# KiCad board washington-metro-pcb.kicad_pcb (continued)
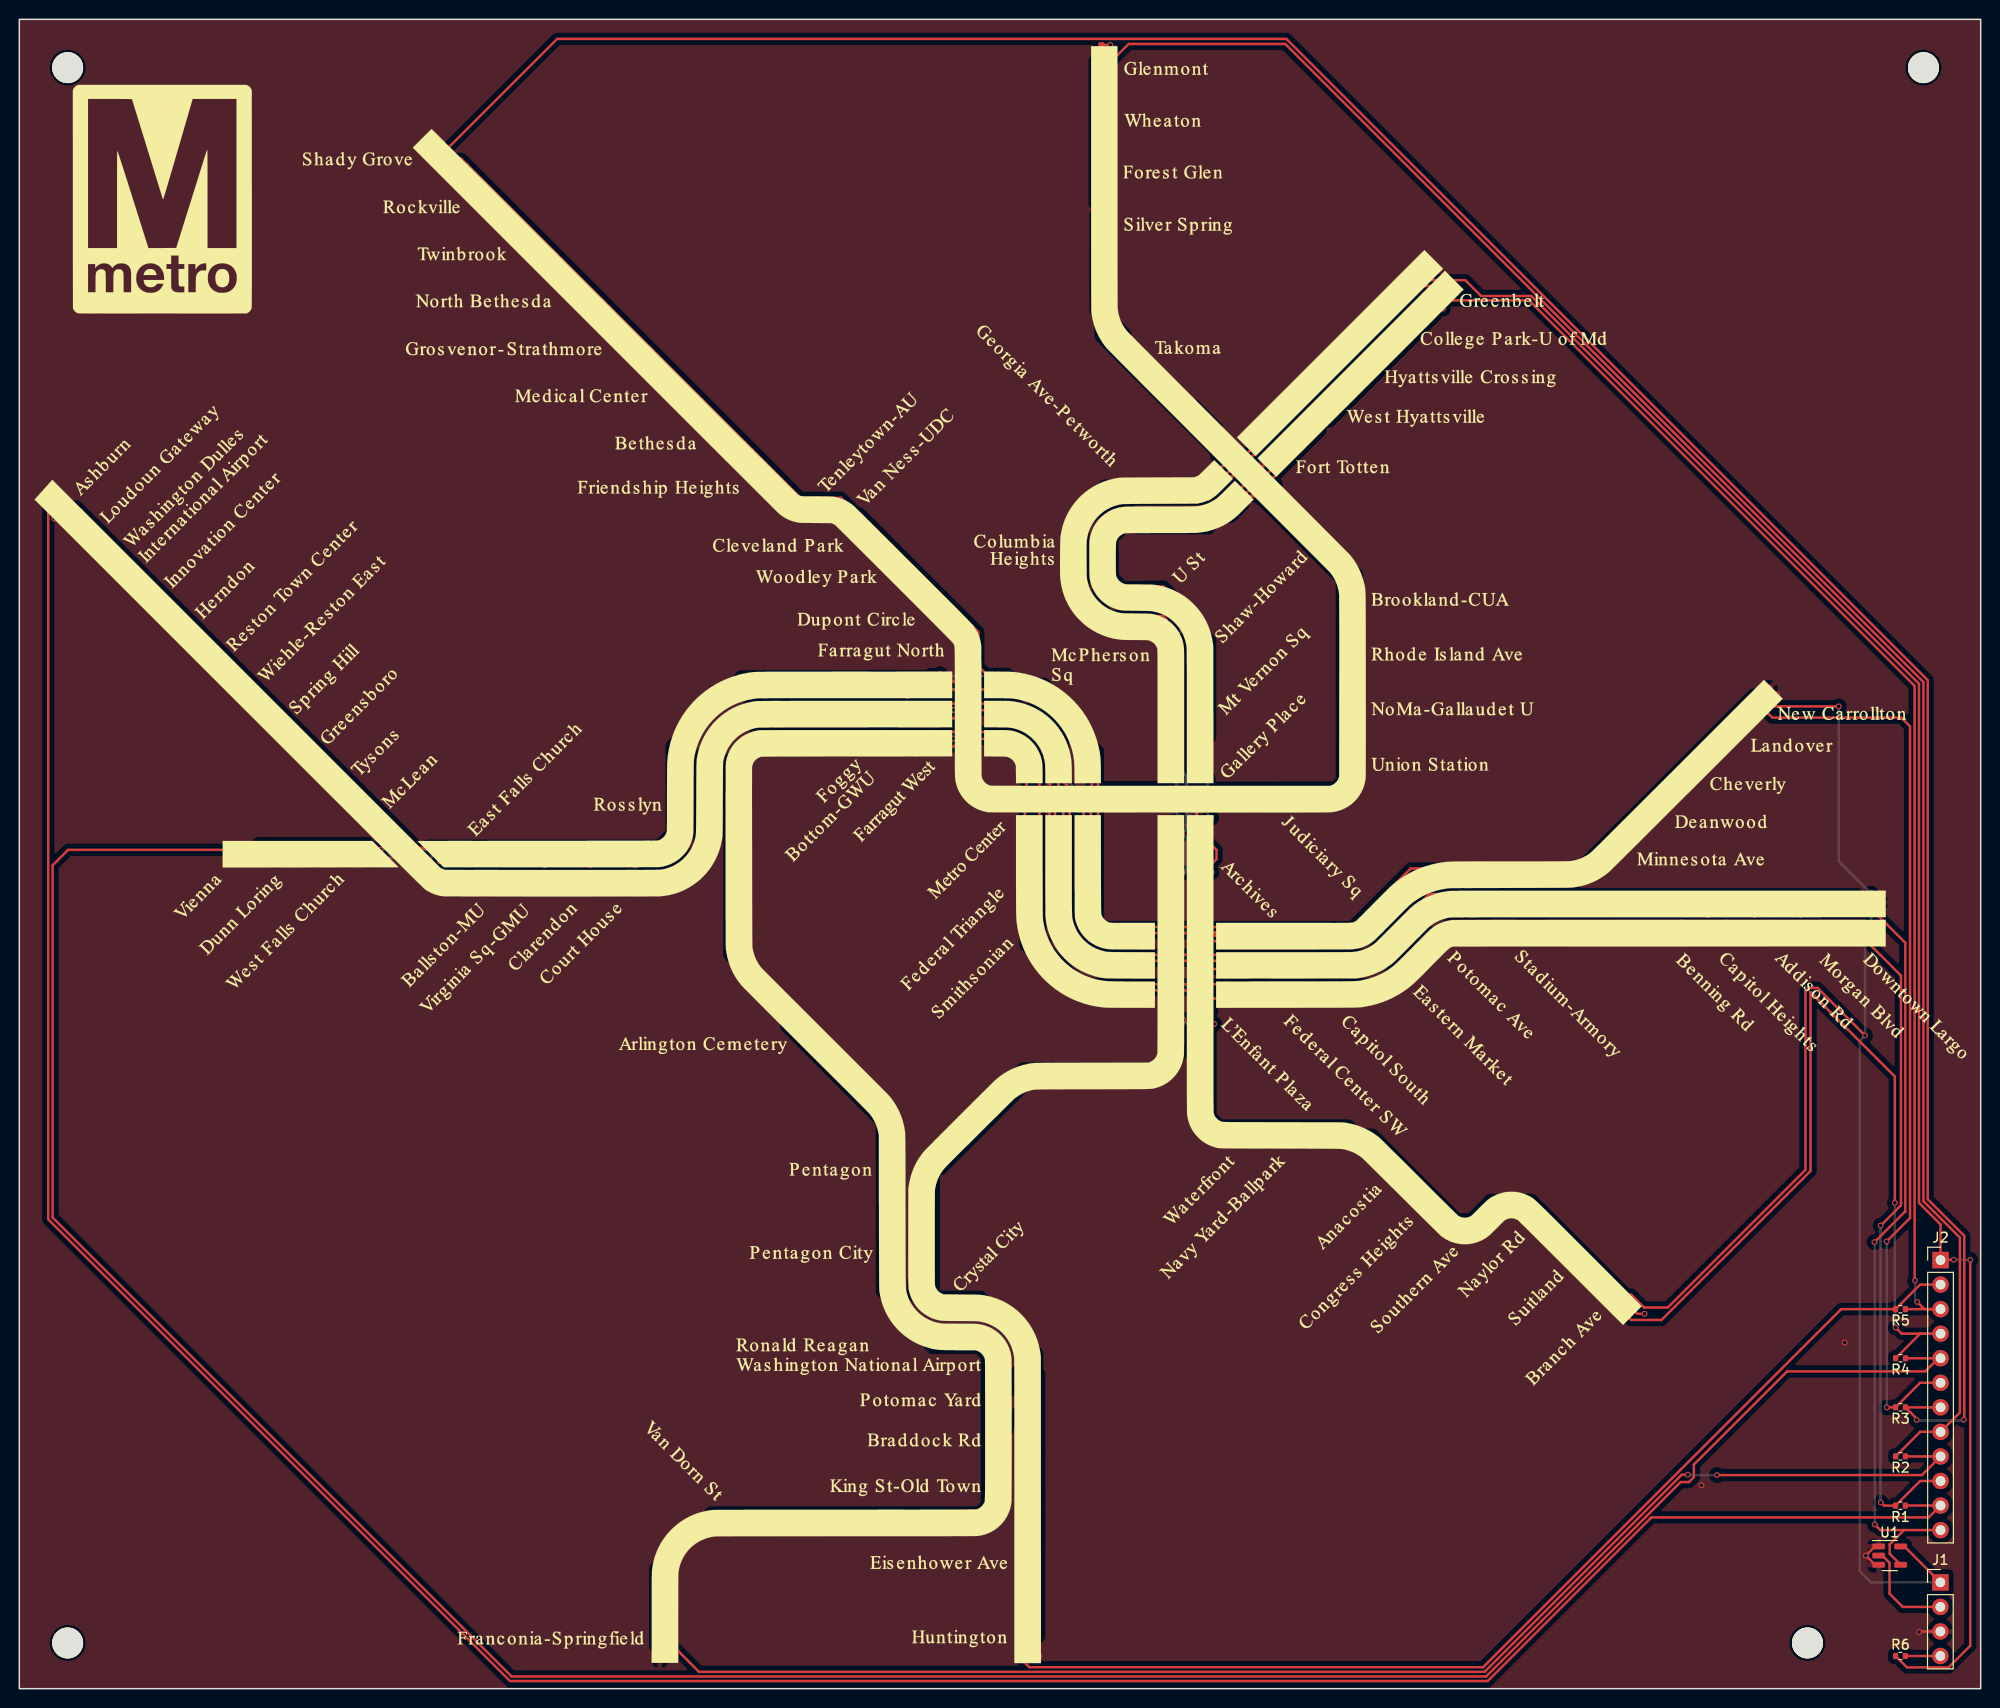
[diagram p0: board, top side]
## Routing (per net, layer and track width the routed paths; a pad name or vN(x,y) marks a point on that pad's centre or on a via; arc(x,y) is an arc through that point) (continued)
BLUE_LINE_IN: length 68.6
  Top w0.25: LED35.4 194.67,73.79 194.67,50.02 v1(192.57,47.92) ; J2.10 196.66,21.49 R1.2 192.92,18.94 v1(192.58,19.27)
  Bottom w0.25: v1(192.57,47.92) 192.56,47.91 192.56,19.27
BLUE_LINE_OUT: length 145.8
  Top w0.25: LED62.1 70.32,1.74 151.6,1.74 172,22.14 v1(172.62,22.14) ; v1(175.63,22.1) 196.84,22.1 J2.9 195.15,24.03 R2.1
  Bottom w0.25: v1(172.62,22.14) 172.66,22.1 v1(175.63,22.1)
GREEN_LINE_IN: length 95
  Top w0.25: v1(194.04,50.27) 194.04,63.34 185.32,72.06 185.32,53.57 169.9,38.15 166.76,38.15 LED116.4 ; v1(194.12,37.36) 194.75,36.73 J2.4 196.66,36.73 R4.2
  Bottom w0.25: v1(194.12,37.36) 194.04,37.44 v1(194.04,50.27)
GREEN_LINE_OUT: length 135.7
  Top w0.25: v1(196.13,42.23) 196.09,42.27 196.09,103.76 156.2,143.65 LED136.1 ; v1(196.36,40.02) 197.11,39.27 J2.3 R5.1
  Bottom w0.25: v1(196.13,42.23) 196.13,40.25 v1(196.36,40.02)
LED_IN: length 10.5
  Top w0.25: J1.2 194.86,8.46 193.49,9.83 193.49,13.03 192.75,13.77 U1.2
LED_OUT: length 3.6
  Top w0.25: R6.2 J1.4
ORANGE_LINE_IN: length 94.3
  Top w0.25: LED90.4 181.37,100.47 194.71,100.47 195.61,99.57 195.61,48.7 v1(193.18,46.28) ; J2.6 196.65,31.65 R3.2 193.22,29.11 v1(193.21,29.1)
  Bottom w0.25: v1(193.18,46.28) 193.21,46.25 v1(193.21,29.1)
ORANGE_LINE_OUT: length 289.9
  Top w0.25: R4.1 J2.5 198.55,34.19 197.19,32.83 182.89,32.83 173.24,23.18 173.24,21.88 172.74,21.38 171.87,21.38 151.75,1.26 50.93,1.26 3.44,48.75 3.44,85.19 5.05,86.79 LED115.1
RED_LINE_IN: length 198.1
  Top w0.25: LED63.4 114.77,170.18 130.98,170.18 196.99,104.17 196.99,50.45 200.77,46.67 200.77,28.57 J2.8 196.65,26.57 R2.2
RED_LINE_OUT: length 274.4
  Top w0.25: LED89.1 55.64,170.7 131.09,170.7 197.44,104.35 197.44,50.64 201.22,46.86 201.22,27.88 v1(201.18,27.83) ; J2.7 R3.1 196.29,27.95 v1(196.29,27.81)
  Bottom w0.25: v1(201.18,27.83) 201.09,27.74 196.35,27.74 v1(196.29,27.81)
SILVER_LINE_IN: length 79.3
  Top w0.25: LED1.4 191.77,80.53 195.12,77.18 195.12,49.34 195.07,49.34 v1(191.93,46.21) ; v1(191.96,16.99) 192.54,16.41 195,16.41 ; U1.4 193.51,13.95 193.51,14.92 195,16.41 ; 195,16.41 J2.12
  Bottom w0.25: v1(191.93,46.21) 191.96,46.18 v1(191.96,16.99)
SILVER_LINE_OUT: length 302.7
  Top w0.25: LED34.1 3.99,123.19 2.99,123.19 2.99,48.56 50.76,0.79 151.92,0.79 168.85,17.72 197.54,17.72 J2.11 195.14,18.95 R1.1
YELLOW_LINE_IN: length 113.6
  Top w0.25: LED137.4 103.89,2.82 104.49,2.22 151.44,2.22 188.49,39.27 R5.2 196.65,41.81 J2.2
YELLOW_LINE_OUT: length 181.6
  Top w0.25: v1(201.84,44.37) 201.84,4.44 199.6,2.2 195.28,2.2 R6.1 ; v1(200.15,44.38) 198.8,44.38 J2.1 198.77,48.04 196.54,50.27 196.54,103.98 156.42,144.1 151.24,144.1 149.6,145.74 LED158.1
  Bottom w0.25: v1(200.15,44.38) 200.16,44.37 v1(201.84,44.37)
Net-(LED1-DOUT): length 4.2
  Top w0.25: LED2.4 188.03,80.61 188.38,80.96 189.17,80.96 LED1.1
Net-(LED2-DOUT): length 4.3
  Top w0.25: LED2.1 183.94,80.58 LED3.4
Net-(LED3-DOUT): length 4.3
  Top w0.25: LED4.4 179.19,80.58 LED3.1
Net-(LED4-DOUT): length 4.3
  Top w0.25: LED4.1 174.39,80.6 LED5.4
Net-(LED5-DOUT): length 18.3
  Top w0.25: LED6.4 155.43,80.74 156.14,81.45 LED5.1
Net-(LED6-DOUT): length 7.1
  Top w0.25: LED6.1 147.78,81.59 145.75,79.56 LED7.4
Net-(LED7-DOUT): length 4.5
  Top w0.25: LED7.1 144.07,78.36 LED8.4
Net-(LED8-DOUT): length 5.8
  Top w0.25: LED8.1 138.93,74.42 LED9.4
Net-(LED10-DIN): length 6.1
  Top w0.25: LED9.1 132.61,75.27 132.31,74.96 132.31,74.95 131.78,74.43 LED10.4
Net-(LED10-DOUT): length 5.6
  Top w0.25: 122.66,74.45 126.53,74.45 127.1,75.03 127.1,75.03 127.35,75.28 LED10.1
Net-(LED11-DOUT): length 17.8
  Top w0.25: LED11.1 109.61,75.3 107.14,77.77 LED12.4
Net-(LED12-DOUT): length 4.5
  Top w0.25: LED12.1 107.14,81.6 LED13.4
Net-(LED13-DOUT): length 6.2
  Top w0.25: LED14.4 107.15,86.61 LED13.1
Net-(LED14-DOUT): length 10.7
  Top w0.25: LED15.4 103.62,100.43 107.51,96.54 107.51,92.95 LED14.1
Net-(LED15-DOUT): length 8.7
  Top w0.25: LED15.1 101.87,101.25 97.53,101.25 96.7,100.42 LED16.4
Net-(LED16-DOUT): length 4.7
  Top w0.25: LED17.4 91.83,100.42 LED16.1
Net-(LED17-DOUT): length 22.5
  Top w0.25: LED17.1 75.89,101.27 71.91,97.29 71.91,92.14 LED18.4
Net-(LED18-DOUT): length 12.4
  Top w0.25: LED18.1 71.02,86.14 67.96,83.08 LED19.4
Net-(LED19-DOUT): length 4.2
  Top w0.25: LED20.4 63.34,83.08 LED19.1
Net-(LED20-DOUT): length 4.2
  Top w0.25: LED21.4 58.66,83.08 LED20.1
Net-(LED21-DOUT): length 4.2
  Top w0.25: LED22.4 53.99,83.08 LED21.1
Net-(LED22-DOUT): length 5.6
  Top w0.25: LED23.4 48.85,82.65 LED22.1
Net-(LED23-DOUT): length 10.2
  Top w0.25: LED24.4 36.49,89.51 42.49,83.5 44.2,83.5
Net-(LED24-DOUT): length 4.1
  Top w0.25: LED24.1 35.29,90.71 LED25.4
Net-(LED25-DOUT): length 4.1
  Top w0.25: LED26.4 32.06,93.95 LED25.1
Net-(LED26-DOUT): length 4.1
  Top w0.25: LED26.1 28.83,97.19 LED27.4
Net-(LED27-DOUT): length 4
  Top w0.25: LED27.1 25.6,100.44 LED28.4
Net-(LED28-DOUT): length 4.2
  Top w0.25: LED29.4 22.31,103.67 LED28.1
Net-(LED29-DOUT): length 4
  Top w0.25: LED30.4 19,106.93 LED29.1
Net-(LED30-DOUT): length 4
  Top w0.25: LED30.1 15.87,110.11 LED31.4
Net-(LED31-DOUT): length 4.6
  Top w0.25: LED31.1 12.73,113.31 LED32.4
Net-(LED32-DOUT): length 4
  Top w0.25: LED32.1 9.1,116.93 LED33.4
Net-(LED33-DOUT): length 3.6
  Top w0.25: LED34.4 5.91,120.07 LED33.1
Net-(LED35-DOUT): length 4.3
  Top w0.25: LED36.4 188.82,77.94 LED35.1
Net-(LED36-DOUT): length 4.3
  Top w0.25: LED37.4 184,77.94 LED36.1
Net-(LED37-DOUT): length 4.3
  Top w0.25: LED38.4 179.16,77.94 180.01,78.79 LED37.1
Net-(LED38-DOUT): length 4.3
  Top w0.25: LED39.4 174.38,77.94 LED38.1
Net-(LED39-DOUT): length 18.4
  Top w0.25: LED40.4 155.75,77.99 156.56,78.81 170.39,78.81 LED39.1
Net-(LED40-DOUT): length 4.5
  Top w0.25: LED41.4 147.93,77.92 150.59,77.92 151.51,78.84 151.56,78.84
Net-(LED41-DOUT): length 4.6
  Top w0.25: LED42.4 146.39,76.55 LED41.1
Net-(LED42-DOUT): length 8.4
  Top w0.25: LED43.4 139.34,71.31 140.47,72.44 141.08,72.44 LED42.1
Net-(LED43-DOUT): length 6.1
  Top w0.25: LED43.1 132.94,72.16 132.66,71.87 132.66,71.86 132.18,71.38 128.78,71.38
Net-(LED44-DOUT): length 5.6
  Top w0.25: LED44.1 127.21,72.23 126.39,71.41 LED45.4
Net-(LED45-DOUT): length 22.6
  Top w0.25: LED46.4 104.11,76.92 104.81,76.23 105.9,76.23 109.86,72.26 LED45.1
Net-(LED46-DOUT): length 4.6
  Top w0.25: 104.97,80.72 104.08,81.6 104.08,84.94
Net-(LED47-DOUT): length 6.2
  Top w0.25: LED48.4 104.03,86.69 LED47.1
Net-(LED48-DOUT): length 5.8
  Top w0.25: LED48.1 104.21,93.13 104.21,95.75 102.78,97.18 102.78,97.39
Net-(LED49-DOUT): length 8.7
  Top w0.25: LED49.1 101.9,98.27 97.47,98.27 96.7,97.49 93.56,97.49
Net-(LED50-DOUT): length 4.7
  Top w0.25: LED51.4 91.73,97.37 LED50.1
Net-(LED51-DOUT): length 17.7
  Top w0.25: LED52.4 74.96,96.62 76.56,98.22 87.53,98.22
Net-(LED52-DOUT): length 27.4
  Top w0.25: LED53.4 74.13,75.91 74.13,91.27 LED52.1
Net-(LED53-DOUT): length 15.3
  Top w0.25: LED53.1 90.72,58.12 90.72,54.33
Net-(LED54-DOUT): length 8.2
  Top w0.25: 89.86,53.48 89.87,53.48 89.87,49.93 90.72,49.09 LED55.4
Net-(LED55-DOUT): length 11.6
  Top w0.25: LED56.4 94.34,36.02 91.04,39.33 91.04,39.98 89.86,41.15 89.86,44.78
Net-(LED56-DOUT): length 7.1
  Top w0.25: LED57.4 101.66,35.22 100,36.88 LED56.1
Net-(LED57-DOUT): length 4.3
  Top w0.25: LED57.1 102.42,31.84 102.42,30.79 LED58.4
Net-(LED58-DOUT): length 3.8
  Top w0.25: 101.72,26.23 102.24,26.75 102.24,27.88 LED58.1
Net-(LED59-DOUT): length 4.8
  Top w0.25: LED60.4 101.72,24.54 LED59.1
Net-(LED60-DOUT): length 26.2
  Top w0.25: 100.86,20.09 100.86,18.41 99.19,16.74 LED61.4
Net-(LED61-DOUT): length 18.6
  Top w0.25: LED62.4 66.33,12.33 71.6,17.59 LED61.1
Net-(LED63-DOUT): length 4.9
  Top w0.25: LED63.1 111.88,166.69 112.72,165.85 LED64.4
Net-(LED64-DOUT): length 4.9
  Top w0.25: 111.86,161.89 111.86,161.26 112.73,160.39 LED65.4
Net-(LED65-DOUT): length 4.9
  Top w0.25: 111.89,156.52 111.89,155.94 112.73,155.09 LED66.4
Net-(LED66-DOUT): length 12.8
  Top w0.25: 111.89,151.15 111.88,151.15 111.88,142.72 114.43,140.17 LED67.4
Net-(LED67-DOUT): length 13.1
  Top w0.25: LED68.4 123.92,130.43 121.52,132.82 119.78,132.82 114.43,138.17 LED67.1
Net-(LED68-DOUT): length 22.2
  Top w0.25: v1(129.6,123.16) 130.54,123.16 138.41,115.3 LED69.4 ; v1(124.54,128.22) 123.92,128.84 LED68.1
  Bottom w0.25: v1(124.54,128.22) v1(129.6,123.16)
Net-(LED69-DOUT): length 5.2
  Top w0.25: 137.56,112.35 137.56,111.61 138.45,110.72 LED70.4
Net-(LED70-DOUT): length 5.2
  Top w0.25: LED71.4 138.44,105.01 137.6,105.84 137.6,106.7 LED70.1
Net-(LED71-DOUT): length 5.2
  Top w0.25: LED71.1 137.58,101.03 137.58,100.24 138.35,99.47 138.35,96.29 LED72.4
Net-(LED72-DOUT): length 10.4
  Top w0.25: LED72.1 137.57,94.05 135.08,91.56 LED73.4
Net-(LED73-DOUT): length 6.4
  Top w0.25: LED73.1 127.97,91.7 LED74.4
Net-(LED74-DOUT): length 8.3
  Top w0.25: LED74.1 121.69,92.53 117.69,92.53 116.88,91.71 LED75.4
Net-(LED75-DOUT): length 28.4
  Top w0.25: v1(97.96,104.01) 97.96,106.59 LED76.4 ; LED75.1 112.32,92.56 v1(112.22,92.66)
  Bottom w0.25: v1(97.96,104.01) 97.83,103.88 97.83,94.62 100.12,92.32 111.89,92.32 v1(112.22,92.66)
Net-(LED76-DOUT): length 4.7
  Top w0.25: LED77.4 95.69,110.82 98.67,107.84 LED76.1
Net-(LED77-DOUT): length 4.4
  Top w0.25: LED78.4 94.26,112.03 LED77.1
Net-(LED78-DOUT): length 4.4
  Top w0.25: LED79.4 90.78,115.5 LED78.1
Net-(LED79-DOUT): length 3.6
  Top w0.25: LED80.4 87.28,118.98 LED79.1
Net-(LED80-DOUT): length 4.1
  Top w0.25: LED81.4 81.94,121.89 LED80.1
Net-(LED81-DOUT): length 3.8
  Top w0.25: LED81.1 80.33,121.98 79.57,121.98 LED82.4
Net-(LED82-DOUT): length 6
  Top w0.25: LED82.1 76.6,126.15 75.41,126.15 LED83.4
Net-(LED83-DOUT): length 6.4
  Top w0.25: LED83.1 71.59,131.18 70.38,131.18 LED84.4
Net-(LED84-DOUT): length 6.4
  Top w0.25: LED85.4 65.68,135.87 66.89,135.87 LED84.1
Net-(LED85-DOUT): length 6.4
  Top w0.25: LED85.1 61.97,140.78 60.76,140.78 LED86.4
Net-(LED86-DOUT): length 6.4
  Top w0.25: LED87.4 56,145.57 57.17,145.57 LED86.1
Net-(LED87-DOUT): length 6.4
  Top w0.25: LED88.4 50.87,150.67 52.09,150.67 LED87.1
Net-(LED88-DOUT): length 6.5
  Top w0.25: LED89.4 43.86,157.7 45.95,155.61 47.16,155.61 48.75,154.03 LED88.1
Net-(LED90-DOUT): length 5.1
  Top w0.25: LED91.4 179.06,100.36 LED90.1
Net-(LED91-DOUT): length 5
  Top w0.25: LED91.1 175.14,96.46 LED92.4
Net-(LED92-DOUT): length 5.1
  Top w0.25: LED93.4 170.62,91.94 170.62,93.14 LED92.1
Net-(LED93-DOUT): length 5
  Top w0.25: LED93.1 166.72,89.24 166.72,88.01 LED94.4
Net-(LED94-DOUT): length 12
  Top w0.25: LED95.4 160.97,83.46 LED94.1
Net-(LED95-DOUT): length 9.8
  Top w0.25: LED95.1 145.43,84.31 142.84,81.73 LED96.4
Net-(LED96-DOUT): length 3.9
  Top w0.25: LED96.1 141.6,81.72 141.6,80.2 LED97.4
Net-(LED97-DOUT): length 4.2
  Top w0.25: LED98.4 138.04,77.26 138.73,77.95 LED97.1
Net-(LED98-DOUT): length 6
  Top w0.25: 128.88,77.31 132.28,77.31 133.09,78.11 LED98.1
Net-(LED100-DIN): length 5.7
  Top w0.25: LED100.4 126.09,77.34 126.91,78.16 LED99.1
Net-(LED100-DOUT): length 13.4
  Top w0.25: LED101.4 110.2,79.18 111.94,77.44 113.54,77.44 114.29,78.19 121.83,78.19 121.84,78.19
Net-(LED101-DOUT): length 4.7
  Top w0.25: LED101.1 110.06,81.7 LED102.4
Net-(LED102-DOUT): length 6.2
  Top w0.25: 110.92,85.82 110.11,86.63 LED103.4
Net-(LED103-DOUT): length 15.4
  Top w0.25: 102.78,103.6 103.61,103.6 104.64,102.58 105.35,102.58 110.96,96.97 LED103.1
Net-(LED104-DOUT): length 8.8
  Top w0.25: LED105.4 100.86,103.38 LED104.1
Net-(LED105-DOUT): length 4.7
  Top w0.25: LED105.1 91.89,103.35 LED106.4
Net-(LED106-DOUT): length 27.3
  Top w0.25: LED106.1 74.78,104.2 68.89,98.31 LED107.4
Net-(LED107-DOUT): length 8.2
  Top w0.25: LED107.1 68.03,86.45 67.31,85.72 LED108.4
Net-(LED108-DOUT): length 4.1
  Top w0.25: LED108.1 63.33,85.72 LED109.4
Net-(LED109-DOUT): length 4.2
  Top w0.25: LED110.4 58.71,85.72 59.56,86.57 LED109.1
Net-(LED110-DOUT): length 4.1
  Top w0.25: LED110.1 53.97,85.73 51.06,85.73
Net-(LED111-DOUT): length 5.6
  Top w0.25: LED112.4 47.93,85.71 48.8,86.58 LED111.1
Net-(LED112-DOUT): length 7.7
  Top w0.25: v1(37.44,85.95) 37.42,85.93 LED113.4 ; v1(43.13,86.51) 44.11,86.51 LED112.1
  Bottom w0.25: v1(43.13,86.51) 42.57,85.95 v1(37.44,85.95)
Net-(LED113-DOUT): length 5.8
  Top w0.25: 35.88,86.78 34.41,86.78 34.02,86.39 34.02,86.39 33.57,85.94 LED114.4
Net-(LED114-DOUT): length 5.8
  Top w0.25: LED114.1 27.8,86.79 27.52,86.5 27.52,86.5 26.96,85.94 LED115.4
Net-(LED116-DOUT): length 5.2
  Top w0.25: LED117.4 163.05,41.84 164.27,41.84 LED116.1
Net-(LED117-DOUT): length 5.2
  Top w0.25: LED118.4 159.03,45.85 159.8,45.85 159.8,45.86 160.23,45.86 LED117.1
Net-(LED118-DOUT): length 6.9
  Top w0.25: LED119.4 151.44,48.08 151.74,48.08 153.14,49.48 156.61,49.48 LED118.1
Net-(LED119-DOUT): length 5.2
  Top w0.25: LED119.1 147.71,47.57 LED120.4
Net-(LED120-DOUT): length 4.3
  Top w0.25: LED120.1 143.85,51.01 142.22,52.64 LED121.4
Net-(LED121-DOUT): length 10.1
  Top w0.25: LED122.4 139.61,56.87 LED121.1
Net-(LED122-DOUT): length 4.8
  Top w0.25: LED122.1 131.95,57.72 131.59,57.36 131.59,57.34 131.08,56.82 128,56.82
Net-(LED123-DOUT): length 15.5
  Top w0.25: 127.16,57.67 124.15,57.67 122.48,59.34 122.48,64.94 121.63,65.79 LED124.4
Net-(LED124-DOUT): length 16.1
  Top w0.25: v1(121.73,79.5) 121.73,84.81 LED125.4 ; v1(123.24,70.14) 123.1,70 LED124.1
  Bottom w0.25: v1(121.73,79.5) 123.24,77.99 v1(123.24,70.14)
Net-(LED125-DOUT): length 3.6
  Top w0.25: LED125.1 121.81,86.46 LED126.4
Net-(LED126-DOUT): length 10.2
  Top w0.25: v1(122.96,94.18) 121.75,95.39 LED127.4 ; v1(123.31,90.1) 122.96,90.1 LED126.1
  Bottom w0.25: v1(122.96,94.18) 122.96,90.45 v1(123.31,90.1)
Net-(LED127-DOUT): length 5.9
  Top w0.25: LED127.1 122.59,101.13 121.76,101.97 LED128.4
Net-(LED128-DOUT): length 10.5
  Top w0.25: LED128.1 122.61,108.17 118.89,111.89 118.87,111.86 118.35,111.86 117.66,112.56 116.07,112.56 116.04,112.58
Net-(LED129-DOUT): length 6.7
  Top w0.25: LED130.4 111.69,114.04 112.3,113.43 LED129.1
Net-(LED130-DOUT): length 6
  Top w0.25: LED131.4 112.97,121.47 112.54,121.04 LED130.1
Net-(LED131-DOUT): length 13.2
  Top w0.25: LED131.1 122.79,120.62 LED132.4
Net-(LED132-DOUT): length 9
  Top w0.25: LED132.1 128.6,125.2 131.76,128.36 131.76,129.18 133.74,131.16 134.03,131.16 LED133.4
Net-(LED133-DOUT): length 5.1
  Top w0.25: LED134.4 135.23,132.94 LED133.1
Net-(LED134-DOUT): length 5.1
  Top w0.25: LED135.4 141.99,139.48 139.21,136.7 LED134.1
Net-(LED135-DOUT): length 5.1
  Top w0.25: LED135.1 143.19,140.9 LED136.4
Net-(LED137-DOUT): length 7.4
  Top w0.25: LED137.1 104.74,8.01 103.87,8.88 LED138.4
Net-(LED138-DOUT): length 6.8
  Top w0.25: LED138.1 104.72,14.51 103.91,15.32 103.91,17.92 103.92,17.92 103.92,20.06
Net-(LED139-DOUT): length 4.7
  Top w0.25: LED140.4 103.92,21.75 LED139.1
Net-(LED140-DOUT): length 3.9
  Top w0.25: LED141.4 103.25,28.51 103.25,27.69 104.78,26.16
Net-(LED141-DOUT): length 4.3
  Top w0.25: LED142.4 103.18,32.8 103.18,31.6 LED141.1
Net-(LED142-DOUT): length 11
  Top w0.25: LED143.4 99.43,39.92 104.67,34.69 LED142.1
Net-(LED143-DOUT): length 7.8
  Top w0.25: LED143.1 94.2,39.07 92.5,40.77 92.5,42.16 92.99,42.65 92.99,44.79 93,44.79
Net-(LED144-DOUT): length 7.6
  Top w0.25: LED145.4 93.85,53.01 93.85,45.65
Net-(LED145-DOUT): length 33.4
  Top w0.25: LED146.4 118.72,64.87 118.02,64.17 103.81,64.17 LED145.1
Net-(LED146-DOUT): length 15.2
  Top w0.25: LED147.4 118.73,84.84 v1(118.73,79.73) ; v1(119.57,70.82) 119.57,70.82 LED146.1
  Bottom w0.25: v1(118.73,79.73) 118.73,71.66 v1(119.57,70.82)
Net-(LED147-DOUT): length 3.6
  Top w0.25: LED148.4 118.71,88.9 118.71,86.58 LED147.1
Net-(LED148-DOUT): length 10
  Top w0.25: LED148.1 119.94,90.13 v1(120.13,90.13) ; LED149.4 118.75,95.14 v1(119.71,94.18)
  Bottom w0.25: v1(119.71,94.18) 119.71,90.55 v1(120.13,90.13)
Net-(LED149-DOUT): length 5.9
  Top w0.25: LED150.4 118.75,102.05 119.59,101.2 119.59,99.72
Net-(LED150-DOUT): length 5.7
  Top w0.25: LED151.4 117.46,109.57 117.98,109.05 117.98,109.03 118.35,108.66 118.37,108.66 119.59,107.43 LED150.1
Net-(LED151-DOUT): length 11.4
  Top w0.25: 115.22,110.42 111.72,110.42 108.67,113.48 LED152.4
Net-(LED152-DOUT): length 10.6
  Top w0.25: LED153.4 112.3,124.48 111.62,123.81 111.62,123.05 109.52,120.94 LED152.1
Net-(LED153-DOUT): length 10.7
  Top w0.25: LED153.1 121.62,123.63 LED154.4
Net-(LED154-DOUT): length 8.9
  Top w0.25: LED154.1 126.47,127.26 129.63,130.42 129.63,131.41 131.91,133.68 LED155.4
Net-(LED155-DOUT): length 5.1
  Top w0.25: LED155.1 133.39,134.14 133.39,135.34 LED156.4
Net-(LED156-DOUT): length 5.1
  Top w0.25: LED156.1 137.09,139.03 LED157.4
Net-(LED157-DOUT): length 5
  Top w0.25: LED158.4 141.08,143.05 141.08,141.83 LED157.1

## Copper pours and planes (outline as drawn; the poured copper is in the pictures)
GND on Top: 207.48,182.52 209.28,-4.85 -9.47,-5.67 -8.16,182.03 207.48,182.2
GND on Bottom: -6.53,180.07 206.34,180.24 207.97,-3.22 -7.67,-3.55 -6.04,180.24

## Text on the board
B.Silkscreen: Yellow Line Out / Yellow Line In / Green Line Out / Green Line In / Orange Line Out / Orange Line In / Red Line Out / Red Line In / Blue Line Out / Blue Line In / Silver Line Out / Silver Line In | 5V+ / LED In / GND / LED Out | Washington Metro PCB / Created by: Steven Smethurst @funvill / Version:    2024-Mar-23 / github.com/funvill/washington-metro-pcb / blog.abluestar.com
